# Altium PCB Exter.PcbDoc (part 1 of 2) (continued)
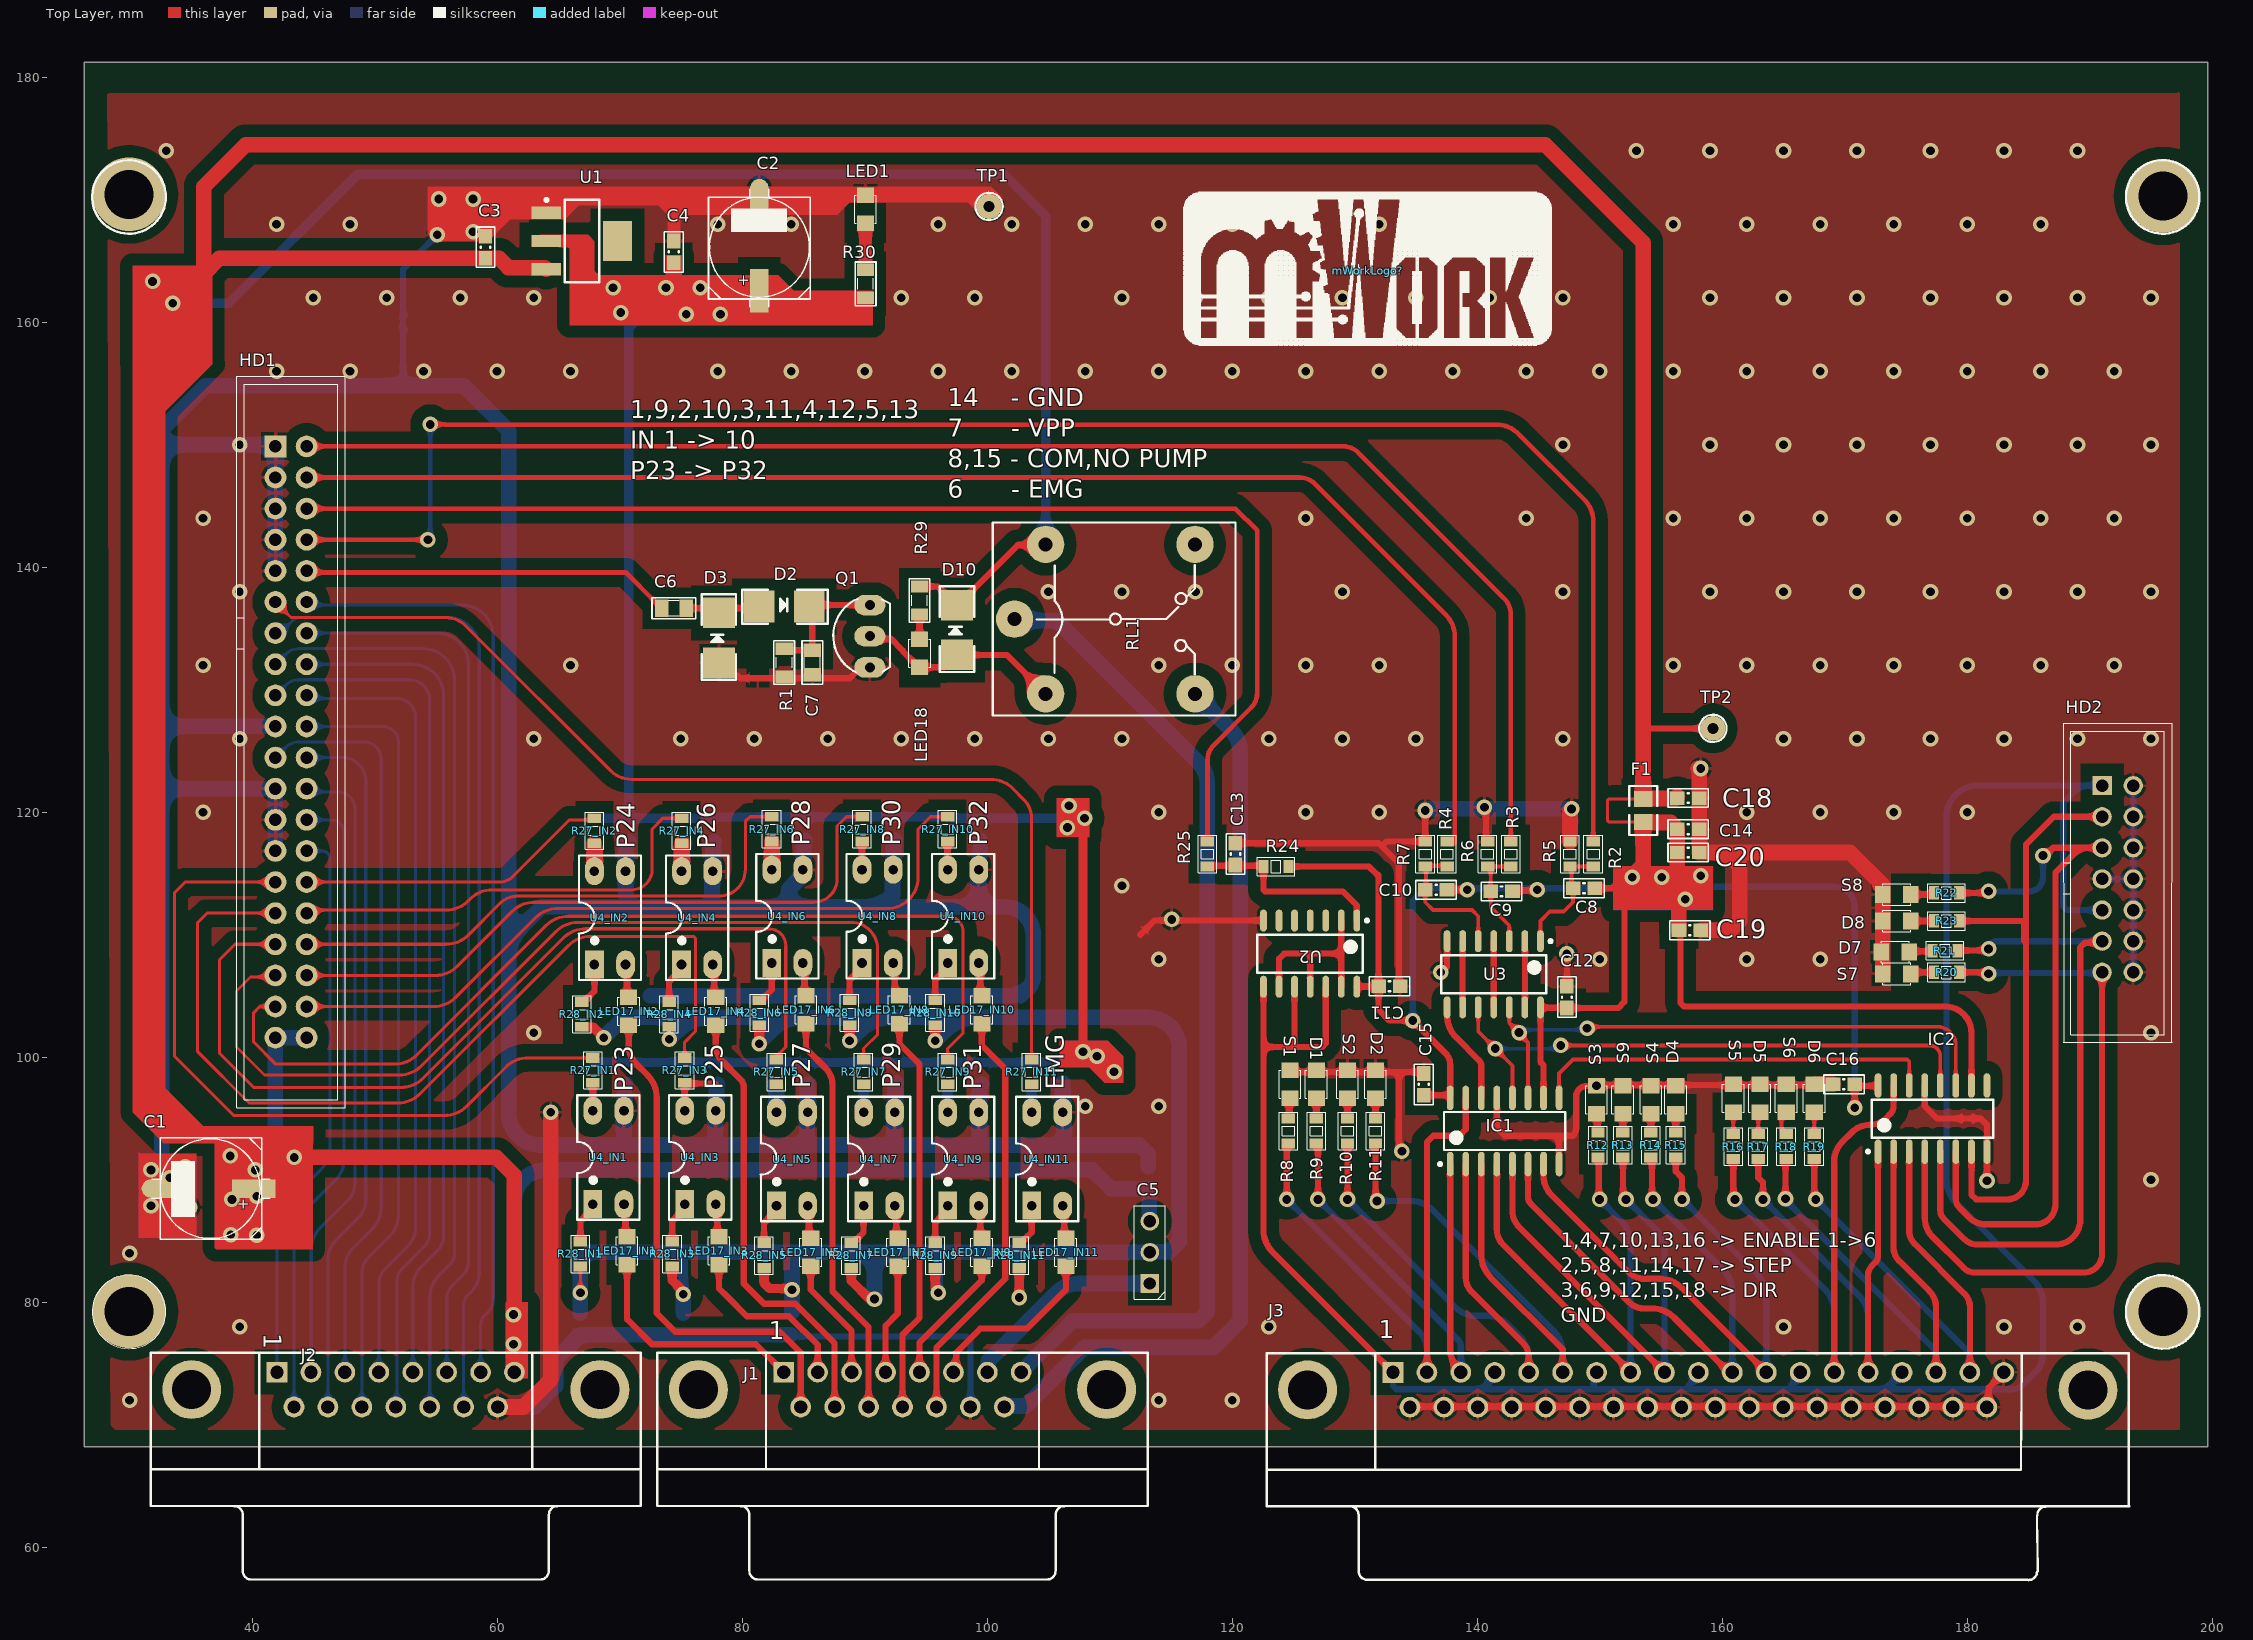
[diagram p0: Top Layer view]
## Components (designator, comment, footprint, x,y, rotation, side; value= is the part's Value field where it differs from the comment)
C1 "CN-ALU-SMD" CAP-ALU-SMD-F 36.576,89.281 r180 top
C2 "CN-ALU-SMD" CAP-ALU-SMD-F 81.407,166.116 r90 top
C3 "CN" CN-SMD-0603_big 59.055,166.116 r270 top value=33pF
C4 "CN" CN-SMD-0603_big 74.422,165.735 r270 top value=33pF
C5 "JP3" JP3-CLOSED 113.284,81.534 r90 top
C6 "10nF" CN-SMD-0805 74.422,136.652 r0 top value=33pF
C7 "10nF" CN-SMD-0805 85.725,132.207 r90 top value=33pF
C8 "CN" CN-SMD-0603_big 148.717,113.792 r0 top value=33pF
C9 "CN" CN-SMD-0603_big 141.986,113.538 r0 top value=33pF
C10 "CN" CN-SMD-0603_big 136.652,113.665 r0 top value=33pF
C11 "CN" CN-SMD-0603_big 132.842,105.791 r0 top value=33pF
C12 "CN" CN-SMD-0603_big 147.32,104.902 r90 top value=33pF
C13 "CN" CN-SMD-0603_big 120.269,116.586 r270 top value=33pF
C14 "CN" CN-SMD-0603_big 157.226,118.618 r180 top value=33pF
C15 "CN" CN-SMD-0603_big 135.636,97.79 r270 top value=33pF
C16 "CN" CN-SMD-0603_big 169.926,97.79 r0 top value=33pF
C17_IN1 "CN" CN-SMD-0603_big 70.485,98.679 r270 bottom value=33pF (schematic designator C17)
C17_IN2 "CN" CN-SMD-0603_big 70.739,118.491 r270 bottom value=33pF (schematic designator C17)
C17_IN3 "CN" CN-SMD-0603_big 77.978,98.679 r270 bottom value=33pF (schematic designator C17)
C17_IN4 "CN" CN-SMD-0603_big 77.724,118.491 r270 bottom value=33pF (schematic designator C17)
C17_IN5 "CN" CN-SMD-0603_big 85.344,98.679 r270 bottom value=33pF (schematic designator C17)
C17_IN6 "CN" CN-SMD-0603_big 85.09,118.618 r270 bottom value=33pF (schematic designator C17)
C17_IN7 "CN" CN-SMD-0603_big 92.583,98.806 r270 bottom value=33pF (schematic designator C17)
C17_IN8 "CN" CN-SMD-0603_big 92.456,118.618 r270 bottom value=33pF (schematic designator C17)
C17_IN9 "CN" CN-SMD-0603_big 99.568,98.679 r270 bottom value=33pF (schematic designator C17)
C17_IN10 "CN" CN-SMD-0603_big 99.441,118.618 r270 bottom value=33pF (schematic designator C17)
C17_IN11 "CN" CN-SMD-0603_big 106.172,98.806 r270 bottom value=33pF (schematic designator C17)
C18 "CN" CN-SMD-0603_big 157.226,121.158 r180 top value=33pF
C19 "CN" CN-SMD-0603_big 157.353,110.363 r180 top value=33pF
C20 "CN" CN-SMD-0603_big 157.226,116.713 r180 top value=33pF
C21 "CN" CN-SMD-0603_big 84.074,78.359 r90 bottom value=33pF
C22 "CN" CN-SMD-0603_big 66.802,78.232 r90 bottom value=33pF
C23 "CN" CN-SMD-0603_big 75.184,78.232 r90 bottom value=33pF
C24 "CN" CN-SMD-0603_big 113.157,90.17 r270 bottom value=33pF
C25 "CN" CN-SMD-0603_big 102.108,104.14 r270 bottom value=33pF
C26 "CN" CN-SMD-0603_big 87.058,104.14 r270 bottom value=33pF
C27 "CN" CN-SMD-0603_big 72.517,104.14 r270 bottom value=33pF
D1 "LED" LED-0805-Blue 126.869,96.647 r90 top value="LED 3 - 5 ly 2 Colour"
D2 "LED" LED-0805-Blue 131.699,96.647 r90 top value="LED 3 - 5 ly 2 Colour"
D2 "Diode" DIO-SMD-106-HayDung 83.439,136.779 r180 top value=1N5007
D3 "Diode" DIO-SMD-106-HayDung 78.105,134.239 r270 top value=1N5007
D4 "LED" LED-0805-Blue 156.21,95.377 r90 top value="LED 3 - 5 ly 2 Colour"
D5 "LED" LED-0805-Blue 163.068,95.504 r90 top value="LED 3 - 5 ly 2 Colour"
D6 "LED" LED-0805-Blue 167.513,95.504 r90 top value="LED 3 - 5 ly 2 Colour"
D7 "LED" LED-0805-Blue 175.26,108.585 r180 top value="LED 3 - 5 ly 2 Colour"
D8 "LED" LED-0805-Blue 175.387,111.125 r180 top value="LED 3 - 5 ly 2 Colour"
D10 "1N4148" DIO-SMD-106-HayDung 97.536,134.874 r270 top value=1N5007
F1 "600R@100Mhz" Capacitor_805 153.543,120.142 r90 top
HD1 "IDC20X2" IDC40 41.91,149.86 r270 top value="Header 5x2"
HD2 "IDC 7x2" IDC14 191.008,122.174 r270 top value="Header 5x2"
IC1 "74HC595" SO16 142.24,93.98 r90 top
IC2 "74HC595" SO16 177.165,94.996 r90 top
J1 "A32121-ND" DB15 93.091,63.373 r180 top locked
J2 "A32121-ND" DB15 51.732,63.373 r180 top locked
J3 "DB37 Female" DB37 159.552,71.432 r270 top locked
LED1 "LED" LED-0805-Blue 90.068,168.077 r90 top value="LED 3 - 5 ly 2 Colour"
LED17_IN1 "LED" LED-0805-Green 70.612,85.344 r270 top value="LED 3 - 5 ly 2 Colour" (schematic designator LED17)
LED17_IN2 "LED" LED-0805-Green 70.739,104.902 r270 top value="LED 3 - 5 ly 2 Colour" (schematic designator LED17)
LED17_IN3 "LED" LED-0805-Green 78.105,85.344 r270 top value="LED 3 - 5 ly 2 Colour" (schematic designator LED17)
LED17_IN4 "LED" LED-0805-Green 77.851,104.902 r270 top value="LED 3 - 5 ly 2 Colour" (schematic designator LED17)
LED17_IN5 "LED" LED-0805-Green 85.598,85.217 r270 top value="LED 3 - 5 ly 2 Colour" (schematic designator LED17)
LED17_IN6 "LED" LED-0805-Green 85.217,105.029 r270 top value="LED 3 - 5 ly 2 Colour" (schematic designator LED17)
LED17_IN7 "LED" LED-0805-Green 92.71,85.217 r270 top value="LED 3 - 5 ly 2 Colour" (schematic designator LED17)
LED17_IN8 "LED" LED-0805-Green 92.837,105.029 r270 top value="LED 3 - 5 ly 2 Colour" (schematic designator LED17)
LED17_IN9 "LED" LED-0805-Green 99.568,85.217 r270 top value="LED 3 - 5 ly 2 Colour" (schematic designator LED17)
LED17_IN10 "LED" LED-0805-Green 99.568,105.029 r270 top value="LED 3 - 5 ly 2 Colour" (schematic designator LED17)
LED17_IN11 "LED" LED-0805-Green 106.426,85.217 r270 top value="LED 3 - 5 ly 2 Colour" (schematic designator LED17)
LED18 "LED" LED-0805-Blue 94.488,134.112 r270 top value="LED 3 - 5 ly 2 Colour"
mWorkLogo? "LogoMwork" LogoMwork30*12 131.064,164.211 r0 top
Q1 "2SC1815" TO92-123 90.424,134.366 r90 top value=C1815
R1 "1M" RES-SMD-0805 83.439,132.207 r270 top
R2 "1K" RES-SMD-0603_BIG 149.479,116.586 r90 top
R3 "1K" RES-SMD-0603_BIG 142.748,116.586 r90 top
R4 "1K" RES-SMD-0603_BIG 137.541,116.586 r90 top
R5 "10K" RES-SMD-0603_BIG 147.574,116.586 r90 top
R6 "10K" RES-SMD-0603_BIG 140.843,116.586 r90 top
R7 "10K" RES-SMD-0603_BIG 135.763,116.586 r90 top
R8 "R" RES-SMD-0603_BIG 124.587,93.98 r90 top
R9 "R" RES-SMD-0603_BIG 126.873,93.98 r90 top
R10 "R" RES-SMD-0603_BIG 129.413,93.98 r90 top
R11 "R" RES-SMD-0603_BIG 131.699,93.98 r90 top
R12 "R" RES-SMD-0603_BIG 149.86,92.837 r90 top
R13 "R" RES-SMD-0603_BIG 151.892,92.837 r90 top
R14 "R" RES-SMD-0603_BIG 154.178,92.837 r90 top
R15 "R" RES-SMD-0603_BIG 156.21,92.837 r90 top
R16 "R" RES-SMD-0603_BIG 160.909,92.71 r90 top
R17 "R" RES-SMD-0603_BIG 162.941,92.71 r90 top
R18 "R" RES-SMD-0603_BIG 165.227,92.71 r90 top
R19 "R" RES-SMD-0603_BIG 167.513,92.71 r90 top
R20 "R" RES-SMD-0603_BIG 178.308,106.934 r180 top
R21 "R" RES-SMD-0603_BIG 178.181,108.712 r180 top
R22 "R" RES-SMD-0603_BIG 178.308,113.411 r180 top
R23 "R" RES-SMD-0603_BIG 178.308,111.125 r180 top
R24 "10K" RES-SMD-0603_BIG 123.571,115.57 r180 top
R25 "1K" RES-SMD-0603_BIG 117.983,116.586 r90 top
R26_IN1 "5K" RES-SMD-0603_BIG 67.818,98.679 r270 bottom (schematic designator R26)
R26_IN2 "5K" RES-SMD-0603_BIG 67.945,118.491 r270 bottom (schematic designator R26)
R26_IN3 "5K" RES-SMD-0603_BIG 75.311,98.806 r270 bottom (schematic designator R26)
R26_IN4 "5K" RES-SMD-0603_BIG 75.057,118.491 r270 bottom (schematic designator R26)
R26_IN5 "5K" RES-SMD-0603_BIG 82.677,98.806 r270 bottom (schematic designator R26)
R26_IN6 "5K" RES-SMD-0603_BIG 82.423,118.618 r270 bottom (schematic designator R26)
R26_IN7 "5K" RES-SMD-0603_BIG 89.916,98.806 r270 bottom (schematic designator R26)
R26_IN8 "5K" RES-SMD-0603_BIG 89.789,118.618 r270 bottom (schematic designator R26)
R26_IN9 "5K" RES-SMD-0603_BIG 96.774,98.806 r270 bottom (schematic designator R26)
R26_IN10 "5K" RES-SMD-0603_BIG 96.774,118.745 r270 bottom (schematic designator R26)
R26_IN11 "5K" RES-SMD-0603_BIG 103.632,98.806 r270 bottom (schematic designator R26)
R27_IN1 "390" RES-SMD-0603_BIG 67.818,98.933 r270 top (schematic designator R27)
R27_IN2 "390" RES-SMD-0603_BIG 67.945,118.491 r270 top (schematic designator R27)
R27_IN3 "390" RES-SMD-0603_BIG 75.311,98.933 r270 top (schematic designator R27)
R27_IN4 "390" RES-SMD-0603_BIG 75.057,118.491 r270 top (schematic designator R27)
R27_IN5 "390" RES-SMD-0603_BIG 82.804,98.806 r270 top (schematic designator R27)
R27_IN6 "390" RES-SMD-0603_BIG 82.423,118.618 r270 top (schematic designator R27)
R27_IN7 "390" RES-SMD-0603_BIG 89.916,98.806 r270 top (schematic designator R27)
R27_IN8 "390" RES-SMD-0603_BIG 89.789,118.618 r270 top (schematic designator R27)
R27_IN9 "390" RES-SMD-0603_BIG 96.774,98.806 r270 top (schematic designator R27)
R27_IN10 "390" RES-SMD-0603_BIG 96.774,118.618 r270 top (schematic designator R27)
R27_IN11 "390" RES-SMD-0603_BIG 103.632,98.806 r270 top (schematic designator R27)
R28_IN1 "2K" RES-SMD-0603_BIG 66.802,83.947 r90 top (schematic designator R28)
R28_IN2 "2K" RES-SMD-0603_BIG 66.929,103.505 r90 top (schematic designator R28)
R28_IN3 "2K" RES-SMD-0603_BIG 74.295,83.947 r90 top (schematic designator R28)
R28_IN4 "2K" RES-SMD-0603_BIG 74.041,103.505 r90 top (schematic designator R28)
R28_IN5 "2K" RES-SMD-0603_BIG 81.788,83.82 r90 top (schematic designator R28)
R28_IN6 "2K" RES-SMD-0603_BIG 81.407,103.632 r90 top (schematic designator R28)
R28_IN7 "2K" RES-SMD-0603_BIG 88.9,83.82 r90 top (schematic designator R28)
R28_IN8 "2K" RES-SMD-0603_BIG 88.773,103.632 r90 top (schematic designator R28)
R28_IN9 "2K" RES-SMD-0603_BIG 95.758,83.82 r90 top (schematic designator R28)
R28_IN10 "2K" RES-SMD-0603_BIG 95.758,103.632 r90 top (schematic designator R28)
R28_IN11 "2K" RES-SMD-0603_BIG 102.616,83.82 r90 top (schematic designator R28)
R29 "2.2K" RES-SMD-0805 94.488,137.287 r270 top
R30 "2.2K" RES-SMD-0805 90.064,163.135 r90 top
RL1 "Relay 10A/12V" "RELAY 5" 110.49,135.763 r0 top value="Relay SPDT, 10A, 12V"
S1 "LED" LED-0805-Blue 124.714,96.647 r90 top value="LED 3 - 5 ly 2 Colour"
S2 "LED" LED-0805-Blue 129.413,96.647 r90 top value="LED 3 - 5 ly 2 Colour"
S3 "LED" LED-0805-Blue 149.733,95.377 r90 top value="LED 3 - 5 ly 2 Colour"
S4 "LED" LED-0805-Blue 154.178,95.377 r90 top value="LED 3 - 5 ly 2 Colour"
S5 "LED" LED-0805-Blue 160.909,95.504 r90 top value="LED 3 - 5 ly 2 Colour"
S6 "LED" LED-0805-Blue 165.227,95.504 r90 top value="LED 3 - 5 ly 2 Colour"
S7 "LED" LED-0805-Blue 175.387,106.807 r180 top value="LED 3 - 5 ly 2 Colour"
S8 "LED" LED-0805-Blue 175.387,113.284 r180 top value="LED 3 - 5 ly 2 Colour"
S9 "LED" LED-0805-Blue 151.892,95.377 r90 top value="LED 3 - 5 ly 2 Colour"
TP1 "TP" TP1 100.159,169.444 r0 top value="Test Point"
TP2 "TP" TP1 159.243,126.842 r0 top value="Test Point"
U1 "LM1117-3.3V" SOT223 66.929,166.624 r270 top
U2 "7414" SO14 126.365,108.458 r270 top
U3 "7414" SO14 141.351,106.774 r270 top
U4_IN1 "PC847" DIP4 67.818,88.011 r0 top value=PC817 (schematic designator U4)
U4_IN2 "PC847" DIP4 67.945,107.569 r0 top value=PC817 (schematic designator U4)
U4_IN3 "PC847" DIP4 75.311,88.011 r0 top value=PC817 (schematic designator U4)
U4_IN4 "PC847" DIP4 75.057,107.569 r0 top value=PC817 (schematic designator U4)
U4_IN5 "PC847" DIP4 82.804,87.884 r0 top value=PC817 (schematic designator U4)
U4_IN6 "PC847" DIP4 82.423,107.696 r0 top value=PC817 (schematic designator U4)
U4_IN7 "PC847" DIP4 89.916,87.884 r0 top value=PC817 (schematic designator U4)
U4_IN8 "PC847" DIP4 89.789,107.696 r0 top value=PC817 (schematic designator U4)
U4_IN9 "PC847" DIP4 96.774,87.884 r0 top value=PC817 (schematic designator U4)
U4_IN10 "PC847" DIP4 96.774,107.696 r0 top value=PC817 (schematic designator U4)
U4_IN11 "PC847" DIP4 103.632,87.884 r0 top value=PC817 (schematic designator U4)

## Footprints (in the part's own frame and the unit in brackets; to place one, negate y for a bottom-side part, rotate by r counter-clockwise, add the part's x,y. Pads: shape width x height; smd on the part's side, far side on the other; paste and mask are expansions set on the pad)
CAP-ALU-SMD-F [mil]
  rect 140x59.06 smd: 1(-140,0)
  oval 140x59.06 smd: 2(150,0)
  silkscreen extent -192,-163 187,163, body extent -195,-163 195,163, height 402
Capacitor_805 [mm]
  rect 1.3x1.5 smd: 1(0.95,0) 2(-0.95,0)
  silkscreen extent -2,-1.15 2,1.15, body extent -1,-0.63 1,0.62, height 0.78
CN-SMD-0603_big [mm]
  rect 1.2x1.1 smd: 1(-0.889,0) 2(0.889,0)
  silkscreen extent -1.65,-0.76 1.65,0.76, body extent -0.8,-0.4 0.8,0.4, height 0.3
CN-SMD-0805 [mm]
  rect 1.1x1.397 smd: 1(-1,0) 2(1,0)
  silkscreen extent -1.78,-0.86 1.78,0.84, body extent -1,-0.62 1,0.63, height 0.8
DB15 [mm] "Connector; D Subminiature AMPLIMITE 2000; 15 Position; Right Angle"
  rect 1.69x1.69 hole 1.09: 1(9.695,-10.92)
  round 1.69 hole 1.09: 2(6.925,-10.92) 3(4.155,-10.92) 4(1.385,-10.92) 5(-1.385,-10.92) 6(-4.155,-10.92) 7(-6.925,-10.92) 8(-9.683,-10.925) 9(8.31,-8.08) 10(5.54,-8.08) 11(2.77,-8.08) 12(0,-8.08) 13(-2.77,-8.08) 14(-5.54,-8.08) 15(-8.31,-8.08)
  round 4.8 hole 3.18: 16(16.66,-9.5) 17(-16.66,-9.5)
  silkscreen extent -20,-12.5 20,6, body extent -19.56,-12.7 20.06,6.1, height 12.56
DB37 [mm]
  rect 1.69x1.69 hole 1.09: 1(-2.842,-26.427)
  round 1.69 hole 1.09: 2(-2.842,-23.657) 3(-2.842,-20.887) 4(-2.842,-18.117) 5(-2.842,-15.347) 6(-2.842,-12.577) 7(-2.842,-9.807) 8(-2.842,-7.037) 9(-2.842,-4.267) 10(-2.842,-1.497) 11(-2.842,1.27) 12(-2.842,4.043) 13(-2.842,6.813) 14(-2.842,9.583) 15(-2.842,12.353) 16(-2.842,15.123) 17(-2.842,17.893) 18(-2.842,20.663) 19(-2.842,23.433) 20(-0.002,-25.042) 21(-0.002,-22.272) 22(-0.002,-19.502) 23(-0.002,-16.732) 24(-0.002,-13.962) 25(-0.002,-11.192) 26(-0.002,-8.422) 27(-0.002,-5.652) 28(-0.002,-2.882) 29(-0.002,-0.112) 30(-0.002,2.658) 31(-0.002,5.428) 32(-0.002,8.198) 33(-0.002,10.968) 34(-0.002,13.738) 35(-0.002,16.508) 36(-0.002,19.278) 37(-0.002,22.048)
  round 4.8 hole 3.18: 38(-1.416,-33.395) 39(-1.397,30.306)
  silkscreen extent -4.42,-36.73 14.1,33.66, body extent -4.14,-36.35 18.92,33.3, height 12.71
DIO-SMD-106-HayDung [mm]
  rect 2.5x2.6 smd: 1(2.032,0) 2(-2.032,0)
  silkscreen extent -3.56,-1.4 3.43,1.4, body extent -2.51,-1.28 2.69,1.32, height 2.4
DIP4 [mil]
  rect 60x90 hole 31: 1(0,0)
  oval 60x90 hole 31: 2(100,0) 3(100,300) 4(0,300)
  silkscreen extent -50,-50 150,350, body extent -59,-10 159,305, height 170
IDC14 [mil]
  rect 62x62 hole 40: 1(0,0)
  round 62 hole 40: 2(0,100) 3(100,0) 4(100,100) 5(200,0) 6(200,100) 7(300,0) 8(300,100) 9(400,0) 10(400,100) 11(500,0) 12(500,100) 13(600,0) 14(600,100)
  silkscreen extent -200,-125 825,225, body extent -202,-125 825,225, height 358
IDC40 [mil]
  rect 70x70 hole 40: 1(0,0)
  round 70 hole 40: 2(0,100) 3(100,0) 4(100,100) 5(200,0) 6(200,100) 7(300,0) 8(300,100) 9(400,0) 10(400,100) 11(500,0) 12(500,100) 13(600,0) 14(600,100) 15(700,0) 16(700,100) 17(800,0) 18(800,100) 19(900,0) 20(900,100) 21(1000,0) 22(1000,100) 23(1100,0) 24(1100,100) 25(1200,0) 26(1200,100) 27(1300,0) 28(1300,100) 29(1400,0) 30(1400,100) 31(1500,0) 32(1500,100) 33(1600,0) 34(1600,100) 35(1700,0) 36(1700,100) 37(1800,0) 38(1800,100) 39(1900,0) 40(1900,100)
  silkscreen extent -226,-125 2125,225, body extent -225,-125 2125,225, height 358
JP3-CLOSED [mil]
  rect 60x60 hole 40: 1(0,0)
  round 60 hole 40: 2(100,0) 3(200,0)
  silkscreen extent -50,-50 250,50, body extent -52,-50 250,50, height 300
LED-0805-Blue [mil]
  rect 50x55 smd: 1(0,0) 2(90,0)
  silkscreen extent 0,-35 90,35, body extent 5,-25 85,25, height 43
LED-0805-Green [mil]
  rect 50x55 smd: 1(0,0) 2(90,0)
  silkscreen extent 0,-35 90,35, body extent 5,-25 85,25, height 43
LogoMwork30*12 [mm] "30mm*12mm"
  silkscreen extent -15.05,-6.08 15.03,6.41
"RELAY 5" [mil] "Reley DPDT, 8 pin, 1A, W400mil, L800mil,H 300mil"
  round 120 hole 45: 1(-325,0) 2(255,240) 3(255,-240) 4(-225,-240) 5(-225,240)
  silkscreen extent -395,-310 385,310, body extent -371,-304 381,306, height 602
RES-SMD-0603_BIG [mm]
  rect 0.8x1.1 smd: 1(-1.016,0) 2(1.016,0)
  silkscreen extent -1.52,-0.76 1.52,0.76, body extent -0.8,-0.4 0.8,0.4, height 0.43
RES-SMD-0805 [mil]
  rect 39.37x55 smd: 1(-45,0) 2(45,0)
  silkscreen extent -70,-34 70,33, body extent -39,-25 39,25, height 31
SO14 [mm] "SOIC, 14-Leads, Body 8.60x3.90mm, Pitch 1.27mm, IPC Medium Density"
  oval 1.8x0.55 smd: 1(-2.7,3.81) 2(-2.7,2.54) 3(-2.7,1.27) 4(-2.7,0) 5(-2.7,-1.27) 6(-2.7,-2.54) 7(-2.7,-3.81) 8(2.7,-3.81) 9(2.7,-2.54) 10(2.7,-1.27) 11(2.7,0) 12(2.7,1.27) 13(2.7,2.54) 14(2.7,3.81)
  silkscreen extent -2.82,-4.3 1.55,4.76, body extent -2.87,-4.3 3.13,4.3, height 1.75
SO16 [mm] "SOIC, 16-Leads, Body 9.90x3.91mm, Pitch 1.27mm, IPC Medium Density"
  oval 2x0.55 smd: 1(-2.7,4.445) 2(-2.7,3.175) 3(-2.7,1.905) 4(-2.7,0.635) 5(-2.7,-0.635) 6(-2.7,-1.905) 7(-2.7,-3.175) 8(-2.7,-4.445) 9(2.7,-4.445) 10(2.7,-3.175) 11(2.7,-1.905) 12(2.7,-0.635) 13(2.7,0.635) 14(2.7,1.905) 15(2.7,3.175) 16(2.7,4.445)
  silkscreen extent -2.82,-4.95 1.55,5.39, body extent -3,-4.95 3,4.95, height 1.4
SOT223 [mm]
  rect 1x2.4 smd: 1(-2.3,-2.9) 2(0,-2.9) 3(2.3,-2.9)
  rect 3.3x2.4 smd: 4(0,2.9)
  silkscreen extent -3.47,-3.02 3.35,1.4, body extent -3.25,-3.56 3.25,3.4, height 1.68
TO92-123 [mil] "TO-92"
  oval 66x100 hole 32: 1(-100,0) 2(0,0) 3(100,0)
  silkscreen extent -117,-65 120,118, body extent -109,-66 109,95, height 245
TP1 [mil] "Test point"
  round 80 hole 35: 1(0,0)
  silkscreen extent -44,-44 44,44, body extent -50,-50 50,50, height 178

## Part data
C1 C2: "Polarized Capacitor (Axial)", LatestRevisionDate=17-Jul-2002, LatestRevisionNote="Re-released for DXP Platform.", PackageReference=POLAR0.8, Published=8-Jun-2000, Publisher="Altium Limited"
C5: "WR-PHD 2.54 mm Angled Socket Header", Manufacturer="W¨¹rth Elektronik eiSos GmbH", partNo=613003143121, ComponentLink1 Description=Manufacturer, ComponentLink1URL=http://www.we-online.com, ComponentLink2 Description=Datasheet, ComponentLink2URL=http://katalog.we-online.de/em/datasheet/6130xx143121.pdf, Created by="Karrer Zheng", Created Date="29 March 2013", NoPins=03
C6 C7: library part CN
D1 D2 D4 D5 D6 D7 D8 LED1 LED17_IN1 LED17_IN2 LED17_IN3 LED17_IN4 LED17_IN5 LED17_IN6 LED17_IN7 LED17_IN8 LED17_IN9 LED17_IN10 LED17_IN11 LED18 S1 S2 S3 S4 S5 S6 S7 S8 S9: library part "LED SMD"
D2 D3: "Default Diode", Code - JEDEC=DO-214-AB, ComponentLink1Description="ES1J - STMBL", ComponentLink1URL=https://banlinhkien.vn/goods-8089-es1j-do214-diode-1a-600v-sma-es1j-.html, Published=8-Jun-2000, Publisher="Altium Limited", Revision="July-2002: Re-released for DXP Platform."
D10: library part Diode, "Default Diode", Code - JEDEC=DO-214-AB, ComponentLink1Description="ES1J - STMBL", ComponentLink1URL=https://banlinhkien.vn/goods-8089-es1j-do214-diode-1a-600v-sma-es1j-.html, Published=8-Jun-2000, Publisher="Altium Limited", Revision="July-2002: Re-released for DXP Platform."
F1: library part Ferrite
HD1: "IDC 13x2"
HD2: library part "IDC 7X2"
IC1 IC2: library part 74595, "8 Bit Serial input - Parallel Output"
J1 J2: library part DB15, "Receptacle Assembly, 15 Position, Right Angle", PackageDocument=O, DatasheetDocument=1-Sep-99, Gender=Receptacle, LatestRevisionDate=17-Jul-2002, LatestRevisionNote="Re-released for DXP Platform.", Orientation="Right Angle", PackageReference=788757, Positions=15, Published=15-Jun-2001, Publisher="Altium Limited"
Q1: "NPN 600mW, ECB", =C2383
R1 R2 R3 R4 R5 R6 R7 R24 R25 R26_IN1 R26_IN2 R26_IN3 R26_IN4 R26_IN5 R26_IN6 R26_IN7 R26_IN8 R26_IN9 R26_IN10 R26_IN11 R27_IN1 R27_IN2 R27_IN3 R27_IN4 R27_IN5 R27_IN6 R27_IN7 R27_IN8 R27_IN9 R27_IN10 R27_IN11 R28_IN1 R28_IN2 R28_IN3 R28_IN4 R28_IN5 R28_IN6 R28_IN7 R28_IN8 R28_IN9 R28_IN10 R28_IN11 R29 R30: library part R
RL1: library part "Relay 5", "Relay SPDT,10A - 12VDC 5 Pin", ="Relay SPDT, 10A, 24V"
TP1 TP2: library part TP1, "Test Point"
U1: library part LM1117, "800mA Low-Dropout Linear Regulator", Creator="Nguyen Ba Bien", Website=http://group3i.net
U2 U3: "IC, M74HC04M, Hex Inverter, SO-14", Text Field1=ST, Text Field2=M74HC04M1R, Text Field3=Mouser, Text Field4=511-M74HC04M, Text Field5=SO-14, Text Field6=.22
U4_IN1 U4_IN2 U4_IN3 U4_IN4 U4_IN5 U4_IN6 U4_IN7 U4_IN8 U4_IN9 U4_IN10 U4_IN11: library part PC817, "Single Opto"

## Via types
v1: diameter 1.27, hole 0.711, Top Layer to Bottom Layer, tented both sides, 247 vias
v2: diameter 6, hole 4, Top Layer to Bottom Layer, tented both sides, 4 vias

## Nets (pads, with @x,y where several pads share a name; then routed paths per layer and width w, separated by ;. In a path a pad name is that pad's centre, name@x,y a point inside that pad or via, vN(x,y) a via of type N, cw(c..) or ccw(c..) an arc to the next point about the centre after c; other vN are vias at no path point)
+5: C1.1 C3.2 C5.3 C8.2 C9.2 C10.2 C11.1 C12.1 C14.2 C15.2 C16.2 C18.2 C19.2 C20.2 C24.2 D10.2 F1.1 F1.2 HD1.39 HD1.40 IC1.10 IC1.16 IC2.10 IC2.16 J2.8 R24.1 R29.1 RL1.5 TP2.1 U1.3 U2.14 U3.14 | length 729.2
  Top Layer w0.254: F1.2@153.543,119.192 150.771,119.192 150.622,119.341 150.622,120.943 150.771,121.092 F1.1@153.543,121.092
  Top Layer w0.508: R29.1@94.488,138.43 95.962,138.43 97.486,136.906 D10.2@97.536,136.906 97.586,136.906 102.489,141.809 104.725,141.809 RL1.5@104.775,141.859 ; R24.1@124.587,115.57 131.147,115.57 131.825,114.892 131.91,114.892 131.953,114.849 C11.1@131.953,105.791 ; U2.14@130.175,105.758 130.191,105.775 131.937,105.775 C11.1@131.953,105.791 ; C15.2@135.636,96.901 137.795,96.901 137.795,99.41 ccw(c136.494,99.41) 137.414,100.33 v1(134.747,102.997) 132.842,102.997 131.953,103.886 C11.1@131.953,105.791 ; C10.2@137.541,113.665 v1(139.192,113.665) ; C9.2@142.875,113.538 142.939,113.602 144.844,113.602 v1(144.907,113.665) ; U3.14@145.161,104.063 145.18,104.044 147.289,104.044 C12.1@147.32,104.013 151.511,104.013 152.019,104.521 152.019,114.011 152.654,114.646 v1(152.654,114.681) ; U3.14@145.161,104.074 145.161,99.613 145.415,99.359 IC1.10@145.415,96.68 ; C8.2@149.606,113.792 151.003,113.792 151.793,114.582 152.555,114.582 v1(152.654,114.681) ; 153.543,126.365 154.02,126.842 TP2.1@159.243,126.842 ; C16.2@170.688,97.663 171.694,97.663 ; v1(170.815,95.885) 170.815,97.536 170.942,97.663 171.694,97.663 ; IC2.16@172.72,97.696 172.72,97.682 172.701,97.663 171.694,97.663 ; IC2.10@180.34,97.696 180.34,101.981 ccw(c178.181,101.981) 180.313,102.324 ccw(c178.181,101.981) 178.524,104.113 ccw(c178.181,101.981) 178.181,104.14 156.889,104.14 156.591,104.438 156.591,110.363 156.591,112.395 155.956,113.03 152.654,113.03 v1(152.654,114.681)
  Top Layer w1.27: 31.75,96.774 31.75,159.131 ; 31.75,159.639 v1@33.591,161.481 ; 32.004,159.639 35.56,159.639 ; v1@38.608,92.329 40.132,90.805 C1.1@40.132,89.281 C1.1@40.386,89.281 ; v1(43.434,91.821) 59.944,91.821 61.415,90.35 J2.8@61.415,74.298 ; U1.3@64.029,164.324 63.894,164.459 60.924,164.459 60.156,165.227 C3.2@59.055,165.227 37.338,165.227 36.068,163.957 36.068,171.069 39.497,174.498 145.542,174.498 153.543,166.497 153.543,126.842 153.543,126.365 F1.1@153.543,121.092 153.558,121.107 156.159,121.107 C18.2@156.337,121.285 ; v1(152.654,114.681) 152.654,114.808 153.543,115.697 F1.2@153.543,119.192 153.558,119.177 155.778,119.177 C14.2@156.337,118.618 C20.2@156.337,116.713 156.337,114.173 156.972,113.538 v1(156.972,112.903) 156.464,112.395 C19.2@156.464,110.363
  Bottom Layer w0.508: v1(134.747,102.997) 134.747,112.776 135.763,113.792 158.75,113.792 ; v1(158.242,114.808) 159.131,113.919 169.164,113.919 cw(c169.164,112.268) 170.815,112.268 v1(170.815,95.885)
  Bottom Layer w0.762: v1(33.528,161.544) 38.1,161.544 48.641,172.085 101.346,172.085 104.775,168.656 RL1.5@104.775,141.859 ; v1@37.735,85.502 v1(38.258,85.502) 38.989,86.233 38.989,89.535 v1(40.259,90.805)
  Bottom Layer w1.27: v1(40.259,90.805) 40.259,91.186 41.91,92.837 HD1.39@41.91,101.6 HD1.40@44.45,101.6 ; J2.8@61.415,74.298 61.415,88.265 cw(c63.955,88.265) 63.955,90.805 108.585,90.805 110.109,89.281 C24.2@113.157,89.281 113.235,89.203 113.235,86.663 C5.3@113.284,86.614
  other v1: 61.341,76.581 61.341,78.994 40.386,85.471 38.354,88.392 40.386,88.646 38.227,91.948 155.067,114.681 31.877,163.322
+12: C5.2 C21.2 C22.2 C23.2 C25.2 C26.2 C27.2 R28_IN1.1 R28_IN2.1 R28_IN3.1 R28_IN4.1 R28_IN5.1 R28_IN6.1 R28_IN7.1 R28_IN8.1 R28_IN9.1 R28_IN10.1 R28_IN11.1 | length 172.6
  Top Layer w0.254: v1(66.802,80.772) R28_IN1.1@66.802,82.931
  Top Layer w0.762: R28_IN2.1@66.929,102.489 66.948,102.47 67.837,102.47 v1(68.707,101.6) ; R28_IN3.1@74.295,82.931 74.295,81.788 v1@74.93,81.153 ; v1(81.407,101.092) R28_IN6.1@81.407,102.616 ; R28_IN5.1@81.788,82.804 81.788,81.57 82.234,81.123 83.977,81.123 v1(84.074,81.026) ; v1(88.773,101.346) R28_IN8.1@88.773,102.616 ; R28_IN7.1@88.9,82.804 88.903,82.801 88.903,81.765 90.404,80.264 v1(90.805,80.264) ; R28_IN9.1@95.758,82.804 95.758,81.163 96.012,80.909 v1(96.012,80.772) ; v1(95.758,101.346) R28_IN10.1@95.758,102.616 ; v1(102.616,80.391) R28_IN11.1@102.616,82.804
  Bottom Layer w0.762: v1(75.184,80.645) 75.184,83.82 75.438,84.074 ; v1(96.012,80.772) 96.012,83.947 96.139,84.074 ; v1(102.616,80.391) 102.616,84.074
  Bottom Layer w1.27: C22.2@66.802,79.121 v1(66.802,80.772) 66.802,83.33 67.546,84.074 75.438,84.074 84.201,84.074 ; v1(68.707,101.6) 70.358,103.251 C27.2@72.517,103.251 75.819,103.251 ; v1(74.041,101.473) 75.819,103.251 ; C23.2@75.184,79.121 v1(75.184,80.645) ; v1(81.407,101.092) 81.407,101.219 83.439,103.251 ; C21.2@84.074,79.248 v1(84.074,81.026) 84.074,83.947 84.201,84.074 ; v1(88.773,101.346) 90.678,103.251 ; v1(90.805,80.264) 90.805,84.074 ; v1(95.758,101.346) 97.663,103.251 ; 75.819,103.251 83.439,103.251 ; 83.439,103.251 C26.2@87.058,103.251 90.678,103.251 ; 84.201,84.074 90.805,84.074 ; 90.678,103.251 97.663,103.251 ; 90.805,84.074 96.139,84.074 102.616,84.074 C5.2@113.284,84.074 113.333,84.123 114.857,84.123 115.697,84.963 115.697,100.711 ccw(c113.157,100.711) 113.157,103.251 C25.2@102.108,103.251 97.663,103.251
DIR0: IC1.1 J3.3 R9.1 | length 40.8
  Top Layer w0.508: R9.1@126.873,92.964 127,92.837 v1(127,88.392) ; IC1.1@137.795,91.28 137.795,76.196 ccw(c140.335,76.196) 138.539,74.4 J3.3@138.665,74.274
  Bottom Layer w0.508: v1(127,88.392) 138.43,76.962 cw(c137.863,76.395) 138.665,76.395 J3.3@138.665,74.274
DIR1: IC1.3 J3.6 R11.1 | length 46.7
  Top Layer w0.508: v1@131.699,88.222 R11.1@131.699,92.964 ; IC1.3@140.335,91.28 140.335,83.856 ccw(c142.875,83.856) 141.079,82.06 146.975,76.164 J3.6@146.975,74.274
  Bottom Layer w0.508: v1(131.826,88.265) 134.584,88.265 cw(c134.584,85.725) 136.38,87.521 146.231,77.67 cw(c144.435,75.874) 146.975,75.874 J3.6@146.975,74.274
DIR2: IC1.5 J3.9 R13.1 | length 40.9
  Top Layer w0.508: IC1.5@142.875,91.28 142.875,87.452 ccw(c144.729,87.452) 143.418,86.141 J3.9@155.285,74.274 ; R13.1@151.892,91.821 151.892,88.852 152.146,88.598 v1(152.146,88.392)
  Bottom Layer w0.508: v1(152.146,88.392) 154.541,85.997 cw(c152.745,84.201) 155.285,84.201 J3.9@155.285,74.274
DIR3: IC1.7 J3.12 R15.1 | length 46.5
  Top Layer w0.508: IC1.7@145.415,91.28 145.415,90.306 ccw(c147.583,90.306) 146.049,88.774 ccw(c147.583,90.306) 146.05,88.773 152.369,82.454 ccw(c153.67,83.755) 153.67,81.915 154.902,81.915 cw(c154.902,79.375) 156.698,81.171 J3.12@163.595,74.274 ; R15.1@156.21,91.821 156.21,90.678 156.718,90.17 v1(156.718,88.392)
  Bottom Layer w0.508: v1(156.718,88.392) 156.737,88.392 162.851,82.278 cw(c161.055,80.482) 163.595,80.482 J3.12@163.595,74.274
DIR4: IC2.1 J3.15 R17.1 | length 39.3
  Top Layer w0.508: R17.1@162.941,91.694 162.941,90.17 163.322,89.789 v1(163.322,88.392) ; J3.15@171.905,74.274 171.905,82.238 cw(c172.936,82.238) 172.206,82.967 ; 172.207,82.967 172.509,83.269 ; 172.509,83.27 ccw(c171.999,83.779) 172.72,83.779 IC2.1@172.72,92.296
  Bottom Layer w0.508: v1(163.322,88.392) 171.161,80.553 cw(c169.365,78.757) 171.905,78.757 J3.15@171.905,74.274
DIR5: IC2.3 J3.18 R19.1 | length 42.6
  Top Layer w0.508: R19.1@167.513,91.694 167.513,88.519 v1(167.64,88.392) ; IC2.3@175.26,92.296 175.26,85.846 ccw(c176.778,85.846) 175.704,84.773 ; 175.704,84.772 179.768,80.709 cw(c178.691,79.631) 180.215,79.631 J3.18@180.215,74.274
  Bottom Layer w0.508: v1(167.64,88.392) 180.151,75.881 180.151,74.338 J3.18@180.215,74.274
DIR6: HD2.11 IC2.5 R21.1 | length 55.4
  Top Layer w0.508: IC2.5@177.8,92.296 177.8,87.481 ccw(c178.667,87.481) 178.053,86.869 179.768,85.154 ccw(c180.842,86.227) 180.842,84.709 187.198,84.709 ccw(c187.198,86.741) 189.23,86.741 189.23,108.966 189.611,109.347 190.881,109.347 HD2.11@191.008,109.474 ; R21.1@179.197,108.712 181.864,108.712 v1@181.991,108.839
  Bottom Layer w0.508: v1(181.737,108.839) cw(c182.372,108.839) 182.372,109.474 HD2.11@191.008,109.474
DIR7: HD2.3 IC2.7 R23.1 | length 50.6
  Top Layer w0.508: R23.1@179.324,111.125 184.658,111.125 184.658,109.501 ; IC2.7@180.34,92.296 180.34,90.823 ; 180.375,90.788 180.34,90.823 ; HD2.3@191.008,119.634 187.071,119.634 184.785,117.348 184.785,89.916 cw(c183.261,89.916) 183.261,88.392 180.721,88.392 180.34,88.773 180.34,90.823
EMG: HD1.11 R27_IN11.1 | length 88.8
  Top Layer w0.254: HD1.11@41.91,137.16 43.18,135.89 55.781,135.89 cw(c55.781,133.505) 57.467,135.191 69.278,123.381 ccw(c70.965,125.067) 70.965,122.682 100.294,122.682 cw(c100.294,120.142) 102.09,121.938 102.997,121.031 cw(c101.464,119.498) 102.998,121.03 cw(c101.464,119.498) 103.632,119.498 R27_IN11.1@103.632,99.822
ENABLE: HD2.1 HD2.9 J3.1 J3.4 J3.7 J3.10 J3.13 J3.16 U2.8 U2.10 U2.12 | length 189.9
  Top Layer w0.508: U2.8@122.555,105.758 122.555,100.838 ; U2.10@125.095,105.758 125.095,100.965 125.222,100.838 ; U2.12@127.635,105.758 127.635,101.136 127.337,100.838 125.222,100.838 ; J3.1@133.125,74.274 123.299,84.1 cw(c125.095,85.896) 122.555,85.896 122.555,100.838 ; 122.555,100.838 125.222,100.838
  Bottom Layer w0.508: J3.1@133.125,74.274 133.125,73.196 133.423,72.898 140.335,72.898 ; J3.4@141.435,74.274 141.435,73.998 140.335,72.898 ; J3.7@149.745,74.274 149.519,74.048 149.519,73.192 149.225,72.898 ; J3.10@158.055,74.274 158.055,73.954 157.226,73.125 157.226,72.898 ; J3.13@166.365,74.274 166.365,73.954 165.608,73.197 165.608,72.898 ; J3.16@174.675,74.274 173.299,72.898 ; HD2.9@191.008,112.014 188.131,112.014 187.833,112.312 187.833,120.777 189.23,122.174 ; HD2.1@191.008,122.174 189.23,122.174 ; 140.335,72.898 149.225,72.898 ; 149.225,72.898 157.226,72.898 ; 157.226,72.898 165.608,72.898 ; 165.608,72.898 173.299,72.898 ; 173.299,72.898 183.701,72.898 ccw(c183.701,73.982) 184.467,73.216 185.602,74.35 ccw(c184.2,75.751) 186.182,75.751 186.182,79.974 ccw(c183.642,79.974) 185.438,81.77 179.052,88.156 cw(c180.848,89.952) 178.308,89.952 178.308,119.634 cw(c180.848,119.634) 180.848,122.174 189.23,122.174
ENABLE_1: C13.2 R24.2 R25.1 U2.1 | length 15.9
  Top Layer w0.508: R25.1@117.983,115.57 118.046,115.633 122.492,115.633 R24.2@122.555,115.57 122.555,113.665 122.682,113.538 129.032,113.538 130.175,112.395 U2.1@130.175,111.158